# Altium PCB ioboard.PcbDoc (continued)
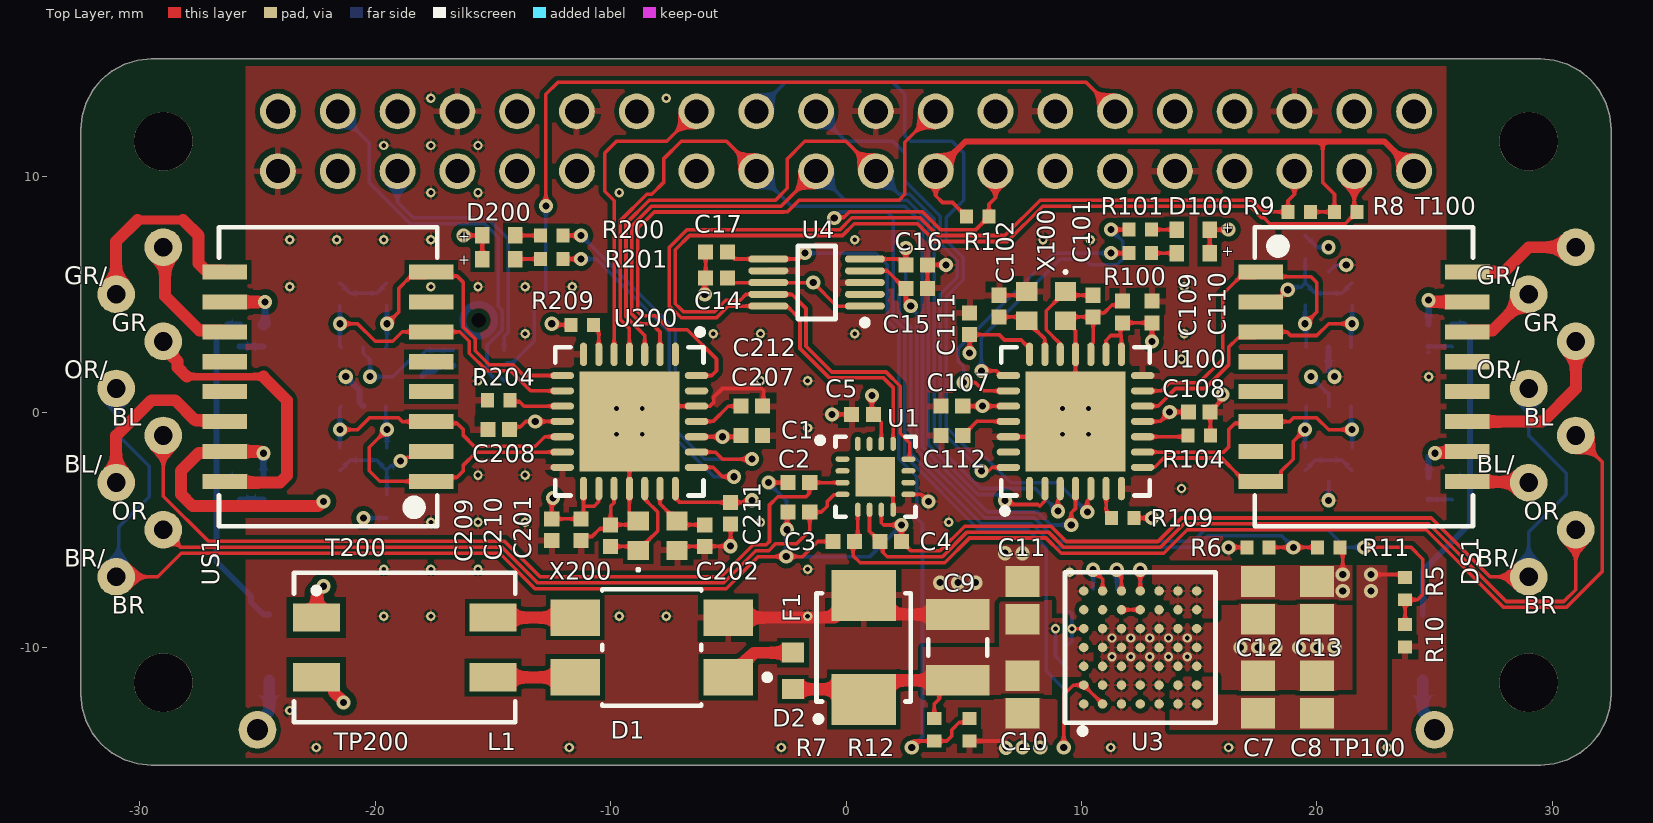
[diagram p0: Top Layer view]
## Footprints (in the part's own frame and the unit in brackets; to place one, negate y for a bottom-side part, rotate by r counter-clockwise, add the part's x,y. Pads: shape width x height; smd on the part's side, far side on the other; paste and mask are expansions set on the pad) (continued)
QFN50P300X300X100_HS-17N_TMP464 [mm] "QFN, 16-Leads, Body 3.00x3.00mm, Pitch 0.50mm, Thermal Pad 1.68x1.68mm, IPC Medium Density"
  oval 0.6x0.24 smd: 1(-1.4,0.75) 2(-1.4,0.25) 3(-1.4,-0.25) 4(-1.4,-0.75) 9(1.4,-0.75) 10(1.4,-0.25) 11(1.4,0.25) 12(1.4,0.75)
  oval 0.24x0.6 smd: 5(-0.75,-1.4) 6(-0.25,-1.4) 7(0.25,-1.4) 8(0.75,-1.4) 13(0.75,1.4) 14(0.25,1.4) 15(-0.25,1.4) 16(-0.75,1.4)
  rect 1.68x1.68 smd: 17(0,0)
  silkscreen extent -2.47,-1.7 1.7,1.7, body extent -1.56,-1.56 1.56,1.56, height 1
QFN65P600X600X100_HS-29N-ENC28J60 [mm] "QFN, 28-Leads, Body 6.00x6.00mm, Pitch 0.65mm, Thermal Pad 4.25x4.25mm, IPC Medium Density"
  oval 1x0.3 smd: 1(-2.85,1.95) 2(-2.85,1.3) 3(-2.85,0.65) 4(-2.85,0) 5(-2.85,-0.65) 6(-2.85,-1.3) 7(-2.85,-1.95) 15(2.85,-1.95) 16(2.85,-1.3) 17(2.85,-0.65) 18(2.85,0) 19(2.85,0.65) 20(2.85,1.3) 21(2.85,1.95)
  oval 0.3x1 smd: 8(-1.95,-2.85) 9(-1.3,-2.85) 10(-0.65,-2.85) 11(0,-2.85) 12(0.65,-2.85) 13(1.3,-2.85) 14(1.95,-2.85) 22(1.95,2.85) 23(1.3,2.85) 24(0.65,2.85) 25(0,2.85) 26(-0.65,2.85) 27(-1.3,2.85) 28(-1.95,2.85)
  rect 4.25x4.25 smd: 29(0,0)
  silkscreen extent -3.92,-3.15 3.15,3.15, body extent -3.01,-3.01 3.01,3.01, height 1
raspi_male_con [mil]
  round 60 hole 40: 1(-950,-50) 2(-950,50) 3(-850,-50) 4(-850,50) 5(-750,-50) 6(-750,50) 7(-650,-50) 8(-650,50) 9(-550,-50) 10(-550,50) 11(-450,-50) 12(-450,50) 13(-350,-50) 14(-350,50) 15(-250,-50) 16(-250,50) 17(-150,-50) 18(-150,50) 19(-50,-50) 20(-50,50) 21(50,-50) 22(50,50) 23(150,-50) 24(150,50) 25(250,-50) 26(250,50) 27(350,-50) 28(350,50) 29(450,-50) 30(450,50) 31(550,-50) 32(550,50) 33(650,-50) 34(650,50) 35(750,-50) 36(750,50) 37(850,-50) 38(850,50) 39(950,-50) 40(950,50)
  silkscreen extent -1033,-100 1000,100, body extent -1000,-100 1000,100, height 330
RESC1005X04N [mm] "Chip Resistor, 2-Leads, Body 1.05x0.54mm, IPC Medium Density"
  rect 0.55x0.6 smd: 1(-0.475,0) 2(0.475,0)
  body extent -0.55,-0.3 0.55,0.3, height 0.4
RESC1608X06N [mm] "Chip Resistor, 2-Leads, Body 1.60x0.83mm, IPC Medium Density"
  rect 0.85x0.95 smd: 1(-0.775,0) 2(0.775,0)
  body extent -0.85,-0.48 0.85,0.48, height 0.6
testpoint_tht_09mm [mm] "Throughhole testpoint"
  round 1.6 hole 0.9: 1(0,0)
TI-DGS10_N [mm] "SOP, 10-Leads, Body 3x3mm, Pitch 0.5mm, IPC Medium Density"
  oval 1.7x0.3 smd: 1(-2.05,1) 2(-2.05,0.5) 3(-2.05,0) 4(-2.05,-0.5) 5(-2.05,-1) 6(2.05,-1) 7(2.05,-0.5) 8(2.05,0) 9(2.05,0.5) 10(2.05,1)
  silkscreen extent -2.18,-1.55 0.8,1.82, body extent -1.55,-1.55 1.55,1.55, height 1.1
WE-SL2 [mm] "SMD Inductor, 4-Leads, Body 6.3 x 9.5 mm"
  rect 2x1.2 smd: 1(-3.75,1.27) 2(-3.75,-1.27) 3(3.75,-1.27) 4(3.75,1.27)
  silkscreen extent -4.7,-3.17 4.7,3.17, body extent -4.6,-3 4.6,3, height 5
WE-TVS_SOT23-6L [mm] "TVS Diode, package SOT23-6L"
  rect 0.6x1.1 smd: 1(-0.95,-1.25) 2(0,-1.25) 3(0.95,-1.25) 4(0.95,1.25) 5(0,1.25) 6(-0.95,1.25)
  silkscreen extent -1.45,-0.45 1.45,0.45, body extent -1.45,-1.4 1.45,1.4, height 1.16
WL-SBCC_0603 [mm] "SMT Bi-color Chip LED Compact, body 1.6x0.8mm"
  rect 0.6x0.7 smd: 1(-0.7,-0.5) 2(-0.7,0.5) 3(0.7,0.5) 4(0.7,-0.5)
  body extent -0.8,-0.4 0.8,0.4, height 0.4

## Part data
C1 C2 C3 C4 C5 C6 C14 C15 C16 C17 C100 C101 C102 C105 C107 C108 C109 C110 C111 C112 C200 C201 C202 C205 C207 C208 C209 C210 C211 C212: "Capacitor"
C7 C8 C12 C13: "Capacitor", voltage=6.3V
C9 C10 C11 C103 C104 C203 C204: "Capacitor", voltage=50V
  C9: type=X7R
C106 C206: "Capacitor", Supplier Part Number 1=311-4501-1-ND, voltage=2kV, Supplier 1=Digi-Key
D1: library part CMP-07163-000028-1, "BRIDGE RECT 1P 100V 500MA 4SOIC", Capacitance=13pF, Forward Current=0.5A, Manufacturer="ON Semiconductor", Max Junction Temp=+150°C, Max Repetitive Reverse Voltage=100V, Max Surge Forward Current=35A, Package=751EP, Peak Reverse Current=5uA, Temperature="-55°C to +150°C", Temperature Range Low=-55°C, Automotive=No, Category=Diode, ComponentLink2Description=Datasheet, ComponentLink2URL=https://www.onsemi.com/pub/Collateral/MB8S-D.PDF, Device Class L1="Discrete Semiconductors", Device Class L2=Diodes, Device Class L3="Rectifier Diodes", Digikey Description="BRIDGE RECT 1P 100V 500MA 4SOIC", Footprint Url=https://www.onsemi.com/pub/Collateral/751EP.PDF, Height=2.9mm, Ipc Land Pattern Name=SOIC254P670X265-4, Lead Free=Yes, Manufacturer Part Number=MB1S, Mouser Description="Diode Rectifier Bridge Single 100V 0.5A 4-Pin SOIC N T/R", Octopart=https://octopart.com/mb1s-on+semiconductor-84329760, Reverse Voltage=100V, RoHS=TRUE, Standoff Height=0.05mm, Temperature Range High=+150°C
D2: library part CMP-1061-00363-1, "600 W Peak Power Zener Transient Voltage Suppressor, Unidirectional, 2-Pin SMB, Pb-Free, Tape and Reel", Manufacturer="On Semiconductor", ComponentLink1Description="Manufacturer URL", ComponentLink1URL=http://www.onsemi.com/, ComponentLink2Description=Datasheet, ComponentLink2URL=http://www.onsemi.com/pub_link/Collateral/1SMB5.0AT3-D.PDF, ComponentLink3Description="Package Specification", ComponentLink3URL=http://www.onsemi.com/pub_link/Collateral/1SMB5913BT3-D.PDF, DatasheetVersion="Rev. 13", Direction=Unidirectional, IR Max (uA)=5, Mounting Technology="Surface Mount", PackageDescription="2-Pin Small Molded Package, J-Bend Lead, Body 4.33 x 3.625 mm", PackageReference=SMB-2-403A-03_H, PackageVersion="Rev. H, 05/2011", Packing="Tape and Reel", PartNumber=1SMB24AT3G, PPK Max (W)=600, RoHS=Pb-Free, V(BR) Typ (V)=28.1
D100 D200: library part 150060RV75240, "WL-SBCC SMT Bi-color Chip LED Compact, size 0603, Red & Bright Green, 2V, 140deg", Emitting Color="Red & Bright Green", Forward Voltage typ.=2V, Operating Temperature="-40 to +85degC", Chip Technology=AlInGaP, ComponentLink1Description=Manufacturer, ComponentLink1URL=http://www.we-online.de, ComponentLink2Description=Datasheet, ComponentLink2URL=https://katalog.we-online.de/led/datasheet/150060RV75240.pdf, Dominant Wavelength typ.="625nm@Red, 570nm@Bright Green", Luminous Intensity typ.="230mcd@Red, 90mcd@Bright Green", Mounting Technology=SMT, Packaging="Tape and Reel", Part Number=150060RV75240, Peak Wavelength typ.="630nm@Red, 572nm@Bright Green", Published Date="June 2019", Publisher="Wurth Elektronik", Size=0603, Viewing Angle typ.=140deg
D101 D201: library part 824015, "WE-TVS TVS Diode - High Speed Series, SOT23-6L, 4+1Channel, 5Vdc", Channel Input Capacitance=2pF, DC Operating Voltage=5V, Manufacturer="Wurth Elektronik", Operating Temperature="-40 to +125degC", Reverse Breakdown Voltage min.=6.1V, Reverse Channel Leakage Current=2uA, Reverse Peak Pulse Current=12A, Channel=4+1, ComponentLink1Description=Manufacturer, ComponentLink1URL=http://www.we-online.de, ComponentLink2Description=Datasheet, ComponentLink2URL=https://www.we-online.com/catalog/datasheet/824015.pdf, Manufacturer Part Number=824015, Mounting Technology=SMT, Packaging="Tape and Reel", Published Date="April 2020", Size=SOT23-6L
DS1 US1: library part node_connection
F1 R1 R2 R3 R4 R5 R6 R7 R8 R9 R10 R11 R12 R23 R24 R100 R101 R102 R103 R104 R105 R106 R107 R108 R109 R200 R201 R202 R203 R204 R205 R206 R207 R208 R209: "Resistor"
FB100 FB200: "Inductor"
L1: library part CMP-0222-00062-1, "SMD Common Mode Line Filter WE-SL2, L = 51.0 µH", Inductance="51.0 ÂµH", ComponentLink1Description="Manufacturer Link", ComponentLink1URL=http://www.we-online.com, ComponentLink2Description=Datasheet, ComponentLink2URL=http://www.we-online.de/katalog/media/pdf/744227S.pdf, DatasheetVersion="ver 7, Oct-2004", PackageDescription="SMD Inductor, 4-Leads, Body 6.3 x 9.5 mm", PackageReference=WE-SL2, PackageVersion=2010
RP1: library part raspberry_2x20_con, "Raspberry PI 2x20 connector"
T100 T200: "WE-LAN LAN Transformer, SMT, 10/100 Base-T, 1 port", Inductance=120uH, Insulation Test Voltage=1500Vrms, Manufacturer="Wurth Elektronik", Operating Temperature="-40 to +85degC", PoE Current=720mA, ComponentLink1Description=Manufacturer, ComponentLink1URL=http://www.we-online.de, ComponentLink2Description=Datasheet, ComponentLink2URL=https://www.we-online.com/catalog/datasheet/7490120110.pdf, Data Rate="10/100 Base-T", HPLE=No, Manufacturer Part Number=7490120110, Mounting Technology=SMT, Number of Ports=1, Packaging="Tape and Reel", Published Date="March 2020", Turns Ratio=1:1
TP100 TP200: library part testpoint, "Test point", testpoint=.Comment
U1: library part tmp464rgt, "High-Accuracy 5-Channel (4-Remote and 1-Local) Temperature Sensor", Supplier Part Number 1=296-46946-1-ND, ComponentLink1Description=Datasheet, ComponentLink1URL=https://www.ti.com/lit/ds/symlink/tmp464.pdf, Supplier 1=Digi-Key, Supplier 2=Digi-Key, Supplier Part Number 2=296-50713-1-ND
U2: library part ics-43432
U3: library part CMP-09139-000029-1, "DUAL 40VIN, 3A SILENT SWITCR UMO"
U4: library part CMP-0003-00385-2, "16-Bit ADC with Integrated Multiplexer, PGA, Comparator, Oscillator, and Reference, -40 to 125 degC, 10-pin SOP (DGS10), Green (RoHS & no Sb/Br)", Analog Voltage AV/DD(Max)(V)=5.5, Analog Voltage AV/DD(Min)(V)=2, Manufacturer="Texas Instruments", # Input Channels=4, Architecture=Delta-Sigma, Code_JEDEC=MO-153, ComponentLink1Description="Manufacturer URL", ComponentLink1URL=http://www.ti.com/, ComponentLink2Description=Datasheet, ComponentLink2URL=http://www.ti.com/general/docs/lit/getliterature.tsp?genericPartNumber=ADS1115&fileType=pdf, ComponentLink3Description="Package Specification", ComponentLink3URL=http://www.ti.com/lit/ml/mpds035b/mpds035b.pdf, DatasheetVersion=SBAS444B, Digital Supply(Max)(V)=5.5, Digital Supply(Min)(V)=2, Eco-Plan="Green (RoHS & no Sb/Br)", INL(Max)(+/-LSB)=1, Interface="Serial I2C", Mounting Technology="Surface Mount", PackageDescription="10-Pin Plastic Small Outline, Body 3 x 3 mm, Pitch 0.5 mm", PackageReference=DGS10, PackageVersion="4073272/C, 02/2004", PartNumber=ADS1115IDGSR, Resolution(Bits)=16, Sample Rate (max)(SPS)=860, SubFamily="Precision ADC (<=10MSPS)"
U100 U200: library part enc28j60-iml, "Stand-Alone Ethernet Controller with SPI Interface", ComponentLink1Description=Datasheet, ComponentLink1URL=http://ww1.microchip.com/downloads/en/DeviceDoc/39662e.pdf
X100 X200: library part CMP-2000-05727-1, "Ceramic SMD Ultra Miniature Quartz Crystal, 25 MHz, 100 Ohm, 10 pF, -40 to 85 degC, 4-Pin SMD, RoHS, Tape and Reel", Case Height=0.5mm, Case Length=2.5mm, Case Width=2mm, Frequency=25MHz, Frequency Stability=30PPM, Load Capacitance=10pF, Manufacturer=ABRACON, Operating Temperature Range=-40Cto+85C, Package / Case=2.5mmx2mmx0.5mm, Package Description="4-Pin Surface Mount Device, Body 2 x 2.5 mm, Pitch 1.65 mm", Package Reference=ABM10, Tolerance=20PPM, Brand=ABRACON, Datasheet URL=https://datasheet.ciiva.com/4946/abm10-31166-4946144.pdf, Datasheet Version=01/2013, Dimensions=2mmWx2.5mmLx0.5mmH, ESR=100Ohms, Factory Pack Quantity=3000, Manufacturer URL=http://www.abracon.com/, Mounting Style=SMD/SMT, Mounting Technology=SurfaceMount, Packaging=Reel, Product Category=Crystals, RoHS=Details, Series=ABM10, Termination Style=SMD/SMT, type=UltraMiniatureQuartzCrystal

## Free pads (board coordinates)
  round 2.5 hole 2.5 mask+1.75: 1(-29,-11.5) 1(-29,11.5) 1(29,-11.5) 1(29,11.5)

## Via types
v1: diameter 0.6, hole 0.3, Top Layer to Bottom Layer, tented both sides, 93 vias
v2: diameter 0.4, hole 0.2, Top Layer to Bottom Layer, tented both sides, 70 vias
v3: diameter 0.5, hole 0.2, Top Layer to Bottom Layer, 8 vias

## Nets (pads, with @x,y where several pads share a name; then routed paths per layer and width w, separated by ;. In a path a pad name is that pad's centre, name@x,y a point inside that pad or via, vN(x,y) a via of type N, cw(c..) or ccw(c..) an arc to the next point about the centre after c; other vN are vias at no path point)
CS_ETH_DS: RP1.24 U100.5 | length 32.7
  Top Layer w0.152: v1(10.25,-4.25) 10.25,-3.763 10.4,-3.613 U100.5
  Bottom Layer w0.152: RP1.24 -2.58,14 2,14 2.5,13.5 2.5,11.75 2.75,11.5 4.5,11.5 5,11 5,9 4.26,8.26 4.26,7.271 4.979,6.552 4.979,5.622 4.26,4.903 4.26,-0.653 5.304,-1.697 5.357,-1.75 5.75,-1.75 6.998,-2.998 8.142,-2.998 8.144,-3 9,-3 v1(10.25,-4.25)
CS_ETH_US: RP1.26 U200.5 | length 13.3
  Top Layer w0.152: U200.5 -9.85,8.975 -10.25,9.375 -10.25,11 -9.75,11.5 -7.62,11.5 RP1.26
GND: C5.1 C6.1 C7.1 C8.1 C9.1 C10.1 C11.1 C12.1 C13.1 C14.1 C15.1 C16.1 C17.1 C100.1 C101.1 C102.1 C105.1 C107.1 C108.1 C109.1 C110.1 C111.1 C112.1 C200.1 C201.1 C202.1 C205.1 C207.1 C208.1 C209.1 C210.1 C211.1 C212.1 D1.2 D2.2 D101.2 D201.2 R2.2 R3.2 R4.1 R10.1 R11.1 R12.1 R24.1 R104.1 R204.1 RP1.6 RP1.9 RP1.14 RP1.20 RP1.25 RP1.30 RP1.34 RP1.39 U1.8 U1.9 U1.17 U2.1 U2.2 U2.4 U3.A1 U3.A7 U3.B2 U3.B3 U3.B4 U3.B5 U3.C1 U3.C2 U3.C3 U3.C4 U3.C5 U3.D2 U3.D3 U3.D4 U3.D5 U3.E1 U3.E2 U3.E3 U3.E4 U3.E5 U3.E6 U3.F3 U3.F4 U3.F5 U3.G3 U3.G4 U3.G5 U4.3 U4.7 U100.7 U100.14 U100.17 U100.18 U100.26 U100.29 U200.7 U200.14 U200.17 U200.18 U200.26 U200.29 X100.2 X100.4 X200.2 X200.4 | length 58.5
  Top Layer w0.152: C210.1 -11.081,-5.291 -10.791,-5.291 -10.459,-4.959 -10.169,-4.959 C201.1 ; U200.17 -9.85,-3.85 -10,-4 C201.1 ; v3(-8.65,-0.95) -9.2,-1.5 U200.18 -9.2,-4.212 -9.199,-4.213 -9.199,-4.301 -8.875,-4.625 X200.4 -8.99,-4.79 C201.1 ; v3(-8.65,0.15) -8.55,0.25 U200.26 -6.346,0.254 -5.773,0.254 -5.625,0.402 -5.625,0.625 -5.25,1 -3.589,1 -3.5,0.911 -3.5,0.29 C212.1 ; X200.2 -7.01,-5.71 C202.1 -5.99,-5.7 v1(-4.9,-5.7) C211.1 ; v1(-6,5) -6,5.66 C14.1 C17.1 ; v1(-0.6,-0.1) C5.1 ; U1.17 2,-3.5 U1.8 ; U1.9 3.2,-3.5 v1(3.5,-3.8) ; C15.1 C16.1 v1(4.25,6.25) ; R12.1 6.719,-13.975 6.793,-14.05 v1(6.793,-14.273) ; C102.1 7.51,4.96 X100.2 ; U100.26 9.1,-1.05 v3(9.2,-0.95) ; v3(9.2,0.15) 9.75,0.7 U100.18 9.75,3.45 9.699,3.501 9.699,3.551 9.375,3.875 X100.4 9.49,4.04 C101.1 ; U100.17 10.4,2.84 10.5,2.94 C101.1 ; C109.1 11.581,4.541 11.291,4.541 10.959,4.209 10.669,4.209 C101.1 ; R104.1 15.475,-0.015 C108.1 16,0.54 v1(16,0.75) ; v1(16.25,-5.75) R11.1
  Top Layer w0.508: D1.2 -0.482,-8.73 0.458,-7.79 D2.2 1.56,-8.6 C9.1
  Bottom Layer w0.152: v1(20.5,-3.75) C105.1 ; C100.1 20.744,6.204 20.813,6.204 20.833,6.224 21.224,6.224 v1(21.25,6.25)
  Bottom Layer w0.254: v1(-21.25,1.5) -20.673,0.923 -20.673,0.423 D201.2 ; C6.1 -17.81,1.73 -17.52,1.73 -17.29,1.96 -16.69,1.96 U2.2 ; D101.2 20.5,1.75 v1(20.75,1.5)
  other v1: 7.5,-14.25 8.25,-14.25 16.75,-10 17.5,-10 18.25,-10 19.25,-10 20,-10 20.75,-10 4,-7.25 4.75,-7.25 5.5,-7.25 6.75,-6 7.5,-6
  other v2: -22.5,-14.25 -11.75,-14.25 -2.75,-14.25 11.25,-14.25 16.25,-14.25 23,-14.25 -23.633,-12.677 11.3,-10.4 12.1,-10.4 12.9,-10.4 13.7,-10.4 14.5,-10.4 11.3,-9.6 12.1,-9.6 12.9,-9.6 13.7,-9.6 14.5,-9.6 -19.633,-8.677 -17.633,-8.677 -9.633,-8.677 -7.633,-8.677 -1.633,-8.677 9.5,-6.8 -19.633,-6.677 -17.633,-6.677 -15.633,-6.677 -1.633,-6.677 -17.633,-4.677 -15.633,-4.677 -13.633,-4.677 -3.633,-4.677 4.367,-4.677 14.25,-3.25 -15.633,-2.677 -13.633,-2.677 -1.633,-0.677 -15.633,1.323 -3.633,1.323 -1.633,1.323 24.75,1.5 14.25,2.25 -13.633,3.323 -5.633,3.323 -3.633,3.323 0.367,3.323 14.367,3.323 -23.633,5.323 -17.633,5.323 -15.633,5.323 -13.633,5.323 -11.633,5.323 14.367,5.323 -23.633,7.323 -21.633,7.323 -19.633,7.323 -17.633,7.323 0.367,7.323 8.367,7.323 10.367,7.323 18.367,7.323 -17.633,9.323 -15.633,9.323 -9.633,9.323 -19.633,11.323 -17.633,11.323 -15.633,11.323 -17.633,13.323 -7.633,13.323
  other v3: -9.75,-0.95 10.3,-0.95 -9.75,0.15 10.3,0.15
INT_ETH_DS: RP1.22 U100.28 | length 21.2
  Top Layer w0.152: v1(5.75,-2.5) 6.068,-2.5 6.218,-2.35 U100.28
  Bottom Layer w0.152: RP1.22 0,11.5 2,11.5 2.5,11 2.5,9.821 2.816,9.505 4.007,8.314 4.007,7.166 4.726,6.447 4.726,5.726 4.007,5.007 4.007,-0.757 v1(5.75,-2.5)
INT_ETH_US: RP1.18 U200.28 | length 25.2
  Top Layer w0.152: U200.28 -5.7,1.55 -5.5,1.75 -5.5,2.25 -6.75,3.5 -7.5,3.5 -8.082,4.082 -8.668,4.082 -8.84,4.254 -8.84,7.803 -8.145,8.498 -2.645,8.498 -2.643,8.5 -2.5,8.5 -2,9 2.25,9 2.5,9.25 2.5,11.46 RP1.18
MISO: RP1.21 U100.2 U200.2 | length 36.8
  Top Layer w0.152: U200.2 -7.9,3.4 -8.25,3.75 -8.693,3.75 -9.093,4.15 -9.093,7.907 -8.25,8.75 -2.75,8.75 RP1.21 ; v1(6.75,-3.75) 6.926,-3.926 8.151,-3.926 8.225,-4 8.45,-3.775 U100.2
  Bottom Layer w0.152: RP1.21 -0.04,9 2.607,9 3.502,8.105 3.502,-1.395 5.609,-3.502 6.437,-3.502 6.685,-3.75 v1(6.75,-3.75)
MOSI: RP1.19 U100.3 U200.3 | length 39.5
  Top Layer w0.152: U200.3 -8.55,3.25 -9.345,4.045 -9.345,8.012 -8.355,9.002 -2.998,9.002 -2.5,9.5 -2.5,10.75 -1.75,11.5 0,11.5 RP1.19 ; v1(9,-4.213) 9,-3.74 9.1,-3.64 U100.3
  Bottom Layer w0.152: RP1.19 2.248,9.252 2.711,9.252 3.755,8.209 3.755,-1.291 5.714,-3.25 8.037,-3.25 v1(9,-4.213)
NetC15_2: C15.2 R5.1 R10.2 U4.4 | length 36.3
  Top Layer w0.152: U4.4 1.75,6 2.256,5.494 2.296,5.494 C15.2@2.525,5.265 ; C15.2 2.54,4.71 v1(2.75,4.5) ; v1(22,-5.75) 24,-5.75 24.5,-6.25 24.5,-7.75 24.275,-7.975 R5.1 R10.2
  Bottom Layer w0.152: v1(2.75,4.5) 2.75,4.435 2.998,4.187 2.998,-1.605 5.891,-4.498 7.998,-4.498 8,-4.5 8.998,-5.498 14.752,-5.498 15.25,-5 20.462,-5 21.212,-5.75 v1(22,-5.75)
NetC16_2: C16.2 R6.1 R11.2 U4.5 | length 31.7
  Top Layer w0.152: U4.5 2.29,6.5 C16.2 v1(2.54,6.97) ; R11.2@18.225,-5.75 v1(19,-5.75) R6.1
  Bottom Layer w0.152: v1(2.54,6.97) 2.54,5.29 2.252,5.002 2.252,4.105 2.745,3.612 2.745,-1.745 5.75,-4.75 7.893,-4.75 8.893,-5.75 14.857,-5.75 15.355,-5.252 18.502,-5.252 v1(19,-5.75)
NetC17_2: C17.2 R7.1 R12.2 U4.6 | length 31.7
  Top Layer w0.152: C17.2 -4.74,6.5 U4.6 -2,6.5 v1(-1.75,6.75) ; v1(2.792,-14.246) 2.878,-14.16 2.878,-13.979 2.882,-13.975 R7.1 4.275,-13.975 4.5,-13.75 4.5,-13.5 4.816,-13.184 5.091,-13.184 R12.2
  Bottom Layer w0.152: v1(-1.75,6.75) 1.25,6.75 1.748,6.252 1.748,3.895 2.24,3.403 2.24,-1.99 3,-2.75 3,-4.5 3.25,-4.75 3.25,-13.788 v1(2.792,-14.246)
NetC100_2: C100.2 FB100.1 R102.2 R103.2 T100.2 | length 5.6
  Top Layer w0.152: T100.2 18.245,4.675 v1(18.765,5.195)
  Bottom Layer w0.152: v1(18.765,5.195) 18.886,5.195 18.995,5.303 19.328,5.303 R103.2 ; FB100.1 R103.2 ; R102.2 21.475,5.475 21.276,5.276 21.276,5.251 21.065,5.04 C100.2 19.935,5.04 19.724,5.251 19.724,5.276 19.525,5.475 R103.2
NetC101_2: C101.2 U100.19 X100.1 | length 4.5
  Top Layer w0.152: U100.19 9.072,2.478 9.072,2.928 8.5,3.5 8.5,4.3 8.951,4.751 8.951,4.801 9.275,5.125 9.44,4.96 C101.2
NetC102_2: C102.2 U100.20 X100.3 | length 3
  Top Layer w0.152: C102.2 7.51,4.04 X100.3 7.725,3.875 8.049,3.551 8.049,3.501 8.45,3.1 U100.20
NetC103_1: C103.1 R107.2 | length 1
  Bottom Layer w0.152: C103.1 25.735,-3.71 R107.2
  Bottom Layer w0.254: C103.1@24.735,-3.725 C103.1
NetC104_1: C104.1 R108.2 | length 1
  Bottom Layer w0.152: C104.1@24.735,2.525 C104.1@24.75,2.54 ; C104.1 25.735,2.79 R108.2
  Bottom Layer w0.254: C104.1@24.735,2.775 C104.1
NetC105_2: C105.2 R105.1 R106.1 | length 2.4
  Bottom Layer w0.152: R106.1 19.525,-2.475 19.724,-2.276 19.724,-2.251 19.935,-2.04 C105.2 21.065,-2.04 21.276,-2.251 21.276,-2.276 21.475,-2.475 R105.1
NetC106_2: C106.2 R107.1 R108.1 | length 14.5
  Bottom Layer w0.254: C106.2 24.5,-6.75 26.5,-4.75 26.5,-2.75 ; R107.1 26.475,-2.775 26.5,-2.75 ; R108.1 26.275,3.725 26.5,3.5 26.5,-2.75
NetC112_2: C112.2 U100.25 | length 2.2
  Top Layer w0.152: C112.2 5.56,-0.4 U100.25
NetC200_2: C200.2 FB200.1 R202.2 R203.2 T200.2 | length 5.7
  Top Layer w0.152: v1(-18.917,-2.083) -18.796,-2.083 -18.632,-1.919 -17.859,-1.919 T200.2
  Bottom Layer w0.152: R202.2 -21.475,-2.475 -21.276,-2.276 -21.276,-2.251 -21.065,-2.04 C200.2 -19.935,-2.04 -19.724,-2.251 -19.724,-2.276 R203.2@-19.525,-2.475 ; FB200.1 R203.2 R203.2@-19.525,-2.475 ; v1(-18.917,-2.083) -19.037,-2.083 -19.23,-2.276 -19.326,-2.276 R203.2@-19.525,-2.475
NetC201_2: C201.2 U200.19 X200.1 | length 4.5
  Top Layer w0.152: C201.2 -8.94,-5.71 -8.775,-5.875 -8.451,-5.551 -8.451,-5.501 -8,-5.05 -8,-4.25 -8.522,-3.728 -8.522,-3.278 U200.19
NetC202_2: C202.2 U200.20 X200.3 | length 2.9
  Top Layer w0.152: U200.20 -7.9,-3.9 -7.549,-4.251 -7.549,-4.301 -7.225,-4.625 X200.3 -7.01,-4.79 C202.2
NetC203_1: C203.1 R207.2 | length 1
  Bottom Layer w0.254: R207.2@-25.765,2.79 R207.2 -25.735,2.79 C203.1
NetC204_1: C204.1 R208.2 | length 1
  Bottom Layer w0.254: R208.2 -25.735,-3.71 C204.1
NetC205_2: C205.2 R205.1 R206.1 | length 2.4
  Bottom Layer w0.152: R205.1 -21.475,5.475 -21.276,5.276 -21.276,5.251 -21.065,5.04 C205.2 -19.935,5.04 -19.724,5.251 -19.724,5.276 -19.525,5.475 R206.1
NetC206_2: C206.2 R207.1 R208.1 | length 15.1
  Bottom Layer w0.254: R208.1 -26.725,-2.775 -26.75,-2.75 ; R207.1 -25.757,3.718 -26.282,3.718 -26.75,3.25 -26.75,-2.75 ; C206.2 -24.75,-8.6 -25.273,-8.077 -25.273,-7.827 -26.75,-6.35 -26.75,-2.75
NetC212_2: C212.2 U200.25 | length 2.2
  Top Layer w0.152: U200.25 -5.65,-0.4 -5,0.25 C212.2
NetD1_1: D1.1 F1.1 | length 3.3
  Top Layer w0.508: D1.1 -4.725,-11.27 -4.204,-10.749 -4.204,-10.523 -3.906,-10.225 F1.1
NetD1_3: D1.3 L1.4 | length 3.5
  Top Layer w0.508: L1.4 D1.3
NetD1_4: D1.4 L1.3 | length 3.5
  Top Layer w0.508: L1.3 D1.4
NetD100_1: D100.1 R100.2 | length 1.1
  Top Layer w0.152: R100.2 D100.1
NetD100_2: D100.2 R101.2 | length 1.1
  Top Layer w0.152: R101.2 D100.2
NetD200_1: D200.1 R200.2 | length 1.1
  Top Layer w0.152: D200.1 R200.2
NetD200_2: D200.2 R201.2 | length 1.1
  Top Layer w0.152: D200.2 R201.2
NetDS1_1: DS1.1 T100.16 | length 5.1
  Top Layer w0.508: T100.16 27.945,5.945 29,7 DS1.1
NetDS1_2: DS1.2 T100.14 | length 3.3
  Top Layer w0.508: T100.14 26.451,3.471 27.471,3.471 DS1.2
NetDS1_3: DS1.3 T100.11 | length 7.2
  Top Layer w0.508: T100.11 29.595,-0.405 31,1 DS1.3
NetDS1_6: DS1.6 T100.9 | length 2.6
  Top Layer w0.508: T100.9 26.412,-2.972 28.972,-2.972 DS1.6
NetR2_1: R2.1 U3.D7 | length 1.7
  Top Layer w0.152: U3.D7 v1(12.5,-6.7)
  Bottom Layer w0.152: R2.1 v1(12.5,-6.7)
NetR3_1: R3.1 U3.C7 | length 1.8
  Top Layer w0.152: v1(11.5,-6.7) 11.7,-6.9 U3.C7
  Bottom Layer w0.152: R3.1 v1(11.5,-6.7)
NetR4_2: R4.2 U3.B7 | length 1.9
  Top Layer w0.152: v1(10.5,-6.7) 10.9,-7.1 U3.B7
  Bottom Layer w0.152: R4.2 v1(10.5,-6.7)
NetR23_1: R23.1 R24.2 U3.A5 | length 2.1
  Top Layer w0.152: v2(9.6,-9.2) U3.A5
  Bottom Layer w0.152: R23.1 9.6,-9.725 v2(9.6,-9.2) 9.6,-8.575 R24.2
NetR100_1: R100.1 U100.23 | length 12.5
  Top Layer w0.152: v1(5,1.25) 5.5,1.25 5.85,0.9 U100.23 ; v1(11.25,6.75) R100.1
  Bottom Layer w0.152: v1(5,1.25) 5,1.921 4.774,2.147 4.774,2.697 8.827,6.75 v1(11.25,6.75)
NetR101_1: R101.1 U100.22 | length 12.5
  Top Layer w0.152: v1(5.75,1.75) 6.387,1.75 6.587,1.55 U100.22 ; v1(11.25,7.75) R101.1
  Bottom Layer w0.152: v1(5.75,1.75) 5.75,3.143 9.105,6.498 10.125,6.498 10.373,6.25 11.5,6.25 11.75,6.5 11.75,7.25 v1(11.25,7.75)
NetR104_2: R104.2 U100.10 | length 1.9
  Top Layer w0.152: U100.10 14.475,-1.05 R104.2
NetR109_1: R109.1 U100.6 | length 1.3
  Top Layer w0.152: U100.6 11.05,-4.25 11.275,-4.475 R109.1
NetR200_1: R200.1 U200.23 | length 16.9
  Top Layer w0.152: R200.1 v1(-11.25,7.5) ; U200.23 -5.55,-1.7 -5.25,-2 v1(-4,-2)
  Bottom Layer w0.152: v1(-11.25,7.5) -7.25,3.5 -7.25,-0.75 -6,-2 v1(-4,-2)
NetR201_1: R201.1 U200.22 | length 15.4
  Top Layer w0.152: R201.1 v1(-11.25,6.5) ; U200.22 -5.65,-2.35 -5.25,-2.75 v1(-4.75,-2.75)
  Bottom Layer w0.152: v1(-11.25,6.5) -10.607,6.5 -7.502,3.395 -7.502,-0.855 -5.607,-2.75 v1(-4.75,-2.75)
NetR204_2: R204.2 U200.10 | length 2.3
  Top Layer w0.152: R204.2 -14.211,0.436 -13.861,0.436 -13.675,0.25 U200.10
NetR209_1: R209.1 U200.6 | length 1.3
  Top Layer w0.152: R209.1 -10.725,3.675 -10.5,3.45 U200.6
NetRP1_12: RP1.12 U2.6 | length 37.3
  Top Layer w0.152: v1(-12.75,8.75) -12.75,13.5 -12.25,14 10.2,14 RP1.12
  Bottom Layer w0.152: U2.6 -14.401,2.099 -14.151,2.099 -13.25,3 -13.25,4.5 -12.75,5 v1(-12.75,8.75)
NetRP1_35: RP1.35 U2.5 | length 11.5
  Bottom Layer w0.152: RP1.35 -19.05,8.907 -18.395,8.252 -15.252,8.252 -14.346,7.346 -14.346,3.381 -14.525,3.202 U2.5
NetRP1_38: RP1.38 U2.7 | length 16.9
  Bottom Layer w0.152: RP1.38 -20.25,11.43 -20.25,9.75 -18.5,8 -15.357,8 -14.777,7.42 -14.777,4.493 -14.599,4.315 -14.599,3.485 -15.25,2.834 -15.25,1.75 -14.949,1.449 -14.649,1.449 U2.7
NetT200_9: T200.9 US1.2 | length 8.9
  Top Layer w0.381: -30.096,8.154 -28.154,8.154
  Top Layer w0.508: US1.2 -31,7.25 -30.096,8.154 ; -28.154,8.154 -27.5,7.5 -27.5,6.309 -27.202,6.011 -26.451,6.011 T200.9
NetT200_11: T200.11 US1.1 | length 5.3
  Top Layer w0.508: US1.1 -28.919,6.919 -28.919,4.919 -27.471,3.471 -26.451,3.471 T200.11
NetT200_14: T200.14 US1.6 | length 7.6
  Top Layer w0.508: US1.6 -31,-1 -29.5,0.5 -28.5,0.5 -27.656,-0.344 -26.446,-0.344 T200.14
NetT200_16: T200.16 US1.3 | length 12.6
  Top Layer w0.305: -28,1.5 -24.75,1.5
  Top Layer w0.508: US1.3 -29,2.761 -28.396,2.156 -28.396,1.896 -28,1.5 ; T200.16 -26.33,-3 -24.048,-3 -23.75,-2.702 -23.75,0.5 -24.75,1.5
NetU3_C6: U3.C6 U3.D6 | length 0.8
  Top Layer w0.152: U3.C6 U3.D6
PGOOD: R1.1 RP1.15 U3.A2 U3.B1 | length 43.1
  Top Layer w0.152: v1(-0.5,8.25) -0.475,8.275 -0.082,8.275 0.145,8.502 3.248,8.502 4,7.75 5.525,7.75 5.851,8.076 5.876,8.076 6.075,8.275 R1.1 6.075,8.825 6.35,9.1 RP1.15 ; v1(9.25,-14.246) 9.25,-12 9.65,-11.6 U3.A2 U3.B1
  Bottom Layer w0.152: v1(-0.5,8.25) -0.255,8.495 1.755,8.495 2,8.25 2,4 2.493,3.507 2.493,-1.85 5.645,-5.002 7.735,-5.002 8.5,-5.768 8.5,-11 9.25,-11.75 v1(9.25,-14.246)
RX+_ETH_DS: D101.4 R105.2 T100.6 U100.9 | length 11.9
  Top Layer w0.152: U100.9 16.05,-1.7 16.25,-1.5 16.25,-0.75 16.526,-0.474 17.546,-0.474 T100.6 18.845,-0.405 19,-0.25 20,-0.25 20.5,-0.75 v1(21.5,-0.75)
  Bottom Layer w0.152: D101.4 21.45,-0.7 v1(21.5,-0.75) R105.2
RX+_ETH_US: D201.4 R205.2 T200.6 U200.9 | length 13.1
  Top Layer w0.152: v1(-21.5,3.75) -20.75,3.75 -20,3 -19.25,3 -18.845,3.405 T200.6 -16.405,3.405 -16,3 -16,2.5 -15.25,1.75 -14.25,1.75 -13.4,0.9 U200.9
  Bottom Layer w0.152: R205.2 v1(-21.5,3.75) -21.5,2.8 D201.4
RX-_ETH_DS: D101.6 R106.2 T100.8 U100.8 | length 10.6
  Top Layer w0.152: U100.8 12.628,-2.322 13.131,-2.322 13.5,-1.952 15.952,-1.952 16.701,-2.701 17.371,-2.701 17.493,-2.823 18.357,-2.823 18.479,-2.701 18.479,-2.521 19,-2 19,-1.25 v1(19.5,-0.75)
  Bottom Layer w0.152: R106.2 v1(19.5,-0.75) 19.55,-0.7 D101.6
RX-_ETH_US: D201.6 R206.2 T200.8 U200.8 | length 14
  Top Layer w0.152: v1(-19.5,3.75) -19,4.25 -19,5.25 -18.549,5.701 -17.859,5.701 T200.8 -17.446,5.776 -16.526,5.776 -16.25,5.5 -16.25,3.607 -15.748,3.105 -15.748,2.605 -15.196,2.053 -15.145,2.002 -14.145,2.002 -13.693,1.55 U200.8
  Bottom Layer w0.152: D201.6 -19.5,2.8 v1(-19.5,3.75) R206.2
SCK: RP1.23 U100.4 U200.4 | length 40.9
  Top Layer w0.152: U200.4 -9.2,3.543 -9.598,3.941 -9.598,8.116 -8.459,9.255 -8.245,9.255 -7.75,9.75 -7.75,10.75 -7,11.5 -5.08,11.5 RP1.23 ; v1(9.569,-4.8) 9.569,-4.281 9.75,-4.1 U100.4
  Bottom Layer w0.152: RP1.23 -2.33,8.75 -0.147,8.75 -0.145,8.748 2.502,8.748 3.25,8 3.25,-1.5 5.995,-4.245 8.102,-4.245 8.107,-4.25 8.15,-4.25 8.7,-4.8 v1(9.569,-4.8)
SCL: R9.1 RP1.5 U1.13 U4.10 | length 46.7
  Top Layer w0.152: U4.10@-3.3,4.472 -2.472,4.472 -1.952,3.952 -1.952,2.695 -0.705,1.448 1.595,1.448 2,1.043 U1.13 ; U4.10 -5,4.5 -5.5,4 -7,4 -7.5,4.5 -7.5,7 -6.75,7.75 -0.25,7.75 0.25,8.25 3.143,8.25 3.895,7.498 6.748,7.498 8.25,9 17.25,9 17.75,8.5 R9.1 18.775,8.975 19.05,9.25 RP1.5
SDA: R8.1 RP1.3 U1.12 U4.9 | length 50.8
  Top Layer w0.152: U1.12 2.66,-2 2.7,-1.96 2.7,-1.3 2.3,-0.9 2.3,1.1 1.7,1.7 -0.6,1.7 -1.7,2.8 -1.7,4.4 -2.3,5 U4.9 -4.25,5 -4.498,4.752 -5.105,4.752 -5.605,4.252 -6.895,4.252 -7.072,4.428 -7.248,4.605 -7.248,6.895 -6.645,7.498 -0.145,7.498 0.355,7.998 3.039,7.998 3.791,7.245 6.852,7.245 8.355,8.748 17.145,8.748 17.645,8.248 17.752,8.248 17.998,8.002 21.202,8.002 21.476,8.276 21.501,8.276 21.7,8.475 R8.1 21.59,8.61 RP1.3
SHIELD: C106.1 C206.1 TP100.1 TP200.1 | length 54.7
  Layer 2 w0.254: TP200.1 -21.419,-13.5 -21.338,-13.581 23.765,-13.581 23.846,-13.5 TP100.1
  Bottom Layer w0.508: TP200.1 -25,-13.205 -24.5,-12.705 C206.1 ; C106.1 24.5,-12.705 25,-13.205 TP100.1
T1+: C1.2 U1.3 US1.5 | length 35.7
  Top Layer w0.152: US1.5 -29,-3.576 -27.081,-5.495 -14.505,-5.495 -13,-7 -5.3,-7 -3.935,-5.635 -3.385,-5.635 -3.25,-5.5 -3.25,-3.95 -2.9,-3.6 -1.7,-3.6 -1.559,-3.459 -1.559,-3.019 C1.2 U1.3
T2+: C2.2 U1.4 US1.7 | length 31.9
  Top Layer w0.152: US1.7 -28.252,-5.748 -14.609,-5.748 -13.105,-7.252 -5.195,-7.252 -3.83,-5.887 -3.28,-5.887 -2.993,-5.6 -2.1,-5.6 -1.54,-5.04 C2.2 -1.05,-4.25 -0.8,-4 -0.8,-3.8 -0.509,-3.509 -0.159,-3.509 U1.4
T3+: C3.2 DS1.5 U1.5 | length 43.3
  Top Layer w0.152: U1.5 0.5,-5.36 C3.2 0.3,-5.56 0.3,-6.1 0.6,-6.4 4.2,-6.4 5.248,-5.352 8.495,-5.352 9.148,-6.005 13.495,-6.005 14.495,-5.005 24.65,-5.005 27.945,-8.3 30.6,-8.3 32.124,-6.776 32.124,-2.124 DS1.5
T4+: C4.2 DS1.7 U1.6 | length 36.8
  Top Layer w0.152: U1.6 1,-5.06 C4.2 1.559,-5.619 1.559,-5.959 1.748,-6.148 4.095,-6.148 5.143,-5.1 8.6,-5.1 9.252,-5.752 13.355,-5.752 14.355,-4.752 24.755,-4.752 28.05,-8.048 30.495,-8.048 31,-7.543 DS1.7
T-: C1.1 C2.1 C3.1 C4.1 DS1.4 DS1.8 U1.7 US1.4 US1.8 | length 92.5
  Top Layer w0.152: US1.8 -29.236,-7 -28.236,-6 -14.714,-6 -13.209,-7.505 -5.091,-7.505 -3.726,-6.139 v1(-2.539,-6.139) -1.839,-6.139 -1.2,-5.5 C3.1 ; v1(-3.3,-3) C1.1 ; v1(-2.5,-5) -2.5,-4.29 C2.1 ; U1.7 1.5,-4.7 1.6,-4.8 v1(2.36,-4.8) C4.1 2.755,-5.895 3.991,-5.895 5.039,-4.848 8.705,-4.848 9.357,-5.5 13.25,-5.5 14.25,-4.5 24.859,-4.5 27.359,-7 DS1.8
  Bottom Layer w0.152: US1.8 -30.9,-6.9 -30.9,-4.9 -29.6,-3.6 -29.6,-2.3 -31,-0.9 US1.4 ; v1(-3.3,-3) -2.5,-3.8 -2.539,-3.839 v1(-2.539,-6.139) 1.021,-6.139 v1(2.36,-4.8) ; DS1.8 29,-5.1 30.6,-3.5 30.6,-2.6 29,-1 DS1.4
TX+_ETH_DS: D101.1 R103.1 T100.1 U100.13 | length 15
  Top Layer w0.152: U100.13 13.4,0.9 13.75,1.25 13.893,1.25 13.895,1.252 15.002,1.252 15.998,2.248 15.998,4.998 16.701,5.701 17.371,5.701 T100.1 17.81,5.75 19.75,5.75 20,5.5 20,4.25 v1(19.5,3.75)
  Bottom Layer w0.152: R103.1 v1(19.5,3.75) 19.55,3.7 D101.1
TX+_ETH_US: D201.1 R203.1 T200.1 U200.13 | length 12.9
  Top Layer w0.152: v1(-19.5,-0.75) -20.25,-1.5 -20.25,-2.5 -19.805,-2.945 T200.1 -17.446,-2.776 -16.526,-2.776 -16.25,-2.5 -16.25,-2.25 -15.752,-1.752 -15.75,-1.752 -15.698,-1.7 U200.13
  Bottom Layer w0.152: D201.1 -19.55,-0.7 v1(-19.5,-0.75) R203.1
TX-_ETH_DS: D101.3 R102.1 T100.3 U100.12 | length 12.7
  Top Layer w0.152: U100.12 13.25,0.25 14,1 15.25,1 16.25,2 16.25,2.75 16.661,3.161 17.371,3.161 T100.3 18.73,3.405 18.885,3.25 20,3.25 20.5,3.75 v1(21.5,3.75)
  Bottom Layer w0.152: D101.3 21.45,3.7 v1(21.5,3.75) R102.1
TX-_ETH_US: D201.3 R202.1 T200.3 U200.12 | length 12.3
  Top Layer w0.152: v1(-21.5,-0.75) -20.75,-0.75 -20.25,-0.25 -19,-0.25 -18.845,-0.405 T200.3 -17.546,-0.474 -16.526,-0.474 -16.25,-0.75 -16.25,-1 -15.802,-1.448 -13.198,-1.448 -12.8,-1.05 U200.12
  Bottom Layer w0.152: R202.1 v1(-21.5,-0.75) -21.5,0.2 D201.3
VIN_24V0: C9.2 C10.2 C11.2 D2.1 F1.2 R7.2 R23.2 U3.A3 U3.A4 | length 11.4
  Top Layer w0.152: R7.2 3.75,-12.4 3.961,-12.189 3.961,-11.974 4.534,-11.4 C9.2
  Top Layer w0.508: F1.2 0.315,-11.775 D2.1 1.56,-11.4 C9.2@4.534,-11.4
  Bottom Layer w0.152: v2(8.9,-9.2) 8.9,-10.375 9.15,-10.625 9.15,-10.65 9.375,-10.875 R23.2
VPOE_1: C103.2 C203.2 L1.2 T100.10 T200.10 | length 82
  Top Layer w0.508: L1.2 -22.1,-11.27 -21.754,-11.616 -21.754,-11.902 -21.363,-12.294 -21.363,-12.328 v1(-21.345,-12.345) ; v1(25.024,-1.75) 25.049,-1.75 25.069,-1.731 26.329,-1.731 T100.10
  Top Layer w0.512: T200.10 v1(-24.675,4.675)
  Layer 2 w1: v1(-24.675,4.675) -23.5,3.5 -23.5,-10.126 -23.454,-10.172 -23.454,-10.219 -21.345,-12.328 v1(-21.345,-12.345) ; v1@-21.337,-12.337 -20.973,-12.7 23.4,-12.7 25.024,-11.076 v1(25.024,-1.75)
  Bottom Layer w0.254: C203.2@-24.675,3.785 v1(-24.675,4.675) ; C103.2 24.75,-1.899 24.782,-1.899 24.931,-1.75 v1(25.024,-1.75)
  Bottom Layer w0.508: C203.2 C203.2@-24.675,3.785
VPOE_2: C104.2 C204.2 L1.1 T100.15 T200.15 | length 85.1
  Top Layer w0.508: T200.15 -26.451,-1.741 -27.491,-1.741 -28.25,-2.5 -28.25,-3.5 -27.75,-4 -22.425,-4 -22.225,-3.8 v1(-22.2,-3.8) ; L1.1 -22.466,-8.696 -22.466,-7.666 v1(-22.2,-7.4) ; v1(24.75,4.75) 24.775,4.75 24.85,4.675 T100.15
  Top Layer w0.512: T200.15 -24.849,-1.675 -24.774,-1.75 v1(-24.75,-1.75)
  Layer 2 w1: v1(-22.2,-3.8) v1(-22.2,-7.4) -22.2,-9.7 -20.454,-11.446 22.854,-11.446 23.7,-10.6 23.7,3.7 v1(24.75,4.75)
  Bottom Layer w0.254: C204.2 v1(-24.75,-1.75) ; C104.2 v1(24.75,4.75)
VRPI_3V3: R1.2 R8.2 R9.2 RP1.1 RP1.17 | length 28.3
  Top Layer w0.152: RP1.17 3.81,9.19 4.1,8.9 4.525,8.9 4.901,8.524 4.926,8.524 5.125,8.325 R1.2 ; R9.2 R8.2 20.75,9.25 20.25,9.75 20.25,11.5
  Top Layer w0.254: RP1.17 5.08,11.5 20.25,11.5 22.86,11.5 RP1.1
VSYS_3V3: C5.2 C6.2 C7.2 C8.2 C14.2 C107.2 C108.2 C109.2 C110.2 C111.2 C207.2 C208.2 C209.2 C210.2 C211.2 D100.3 D100.4 D101.5 D200.3 D200.4 D201.5 FB100.2 FB200.2 R5.2 R109.2 R209.2 U1.14 U2.3 U3.F1 U3.F2 U3.G1 U3.G2 U4.1 U4.8 U100.11 U100.15 U100.16 U100.21 U100.24 U200.11 U200.15 U200.16 U200.21 U200.24 | length 49.9
  Top Layer w0.152: v1(-16.25,7.5) D200.4 D200.3 ; C208.2 -14.171,-0.631 -13.831,-0.631 -13.6,-0.4 v1(-13.2,-0.4) U200.11 ; v1(-12.5,3.75) -12.45,3.7 R209.2 ; v1(-12.45,-3.65) -12.5,-3.7 C209.2 C210.2 -11.15,-4.44 -11.15,-3.92 ; U200.15 -11.15,-3.92 ; U200.16 -10.515,-3.265 -10.515,-3.815 -10.7,-4 -11.07,-4 -11.15,-3.92 ; U200.21 -7.25,-3.64 -7.176,-3.714 -7.176,-3.724 -7.06,-3.84 C211.2 -4.09,-3.84 v1(-4,-3.75) ; U200.24 v1(-5.25,-1.05) -4.51,-1.05 C207.2 ; C14.2 -4.84,5.5 U4.8 v1(-1.39,5.5) -0.39,4.5 U4.1 ; v1(1.1,0.7) 1.1,-0.04 C5.2 1.5,-0.44 U1.14 ; C107.2 v1(5.8,0.25) U100.24 ; v1(5.25,2.5) C111.2 6.5,3.29 6.731,3.059 7.441,3.059 7.672,2.828 7.732,2.828 7.8,2.76 U100.21 ; U100.16 11.05,3.05 11.25,3.25 11.661,3.25 ; U100.15 11.7,3.211 11.661,3.25 ; R109.2 v1(13,-4.5) ; U100.11 13.35,-0.4 v1(13.75,0) C108.2 ; v1(13,3) C110.2 C109.2 11.661,3.701 11.661,3.25 ; D100.4 D100.3 v1(16.25,7.75) ; v1(22.3,-6.9) 23.625,-6.9 R5.2
  Bottom Layer w0.152: v1(-20.5,-4.5) -19.51,-4.5 FB200.2 ; D201.5 -20.5,2.5 -20.214,2.214 v1(-20.214,1.5) -19.25,1.5 -18.459,2.291 -18.169,2.291 C6.2 -17.835,2.625 U2.3 ; FB100.2 19.51,7.5 20.01,7 v1(20.5,7) ; v1(19.75,1.5) 20.5,0.75 D101.5
  other v1: 22.3,-7.6
VSYS_5V0: C12.2 C13.2 R6.2 RP1.2 RP1.4 U3.E7 U3.F6 U3.F7 U3.G6 U3.G7 | length 1.2
  Top Layer w0.152: R6.2 21.1,-5.875 v1(21.1,-6.9)
  other v1: 21.1,-7.6
pads on no net: RP1.7 RP1.8 RP1.10 RP1.11 RP1.13 RP1.16 RP1.27 RP1.28 RP1.29 RP1.31 RP1.32 RP1.33 RP1.36 RP1.37 RP1.40 T100.4 T100.5 T100.7 T100.12 T100.13 T200.4 T200.5 T200.7 T200.12 T200.13 U1.1 U1.2 U1.10 U1.11 U1.15 U1.16 U2.PORT U3.A6 U3.B6 U3.D1 U4.2 U100.1 U100.27 U200.1 U200.27

## Polygon pours and split planes (outlines as drawn)
GND on Top Layer "NONET_L01_P-001" (solid, remove dead copper, pour order 10): -25.5,15 -25.5,-15 25.5,-15 25.5,15
VIN_24V0 on Top Layer "NONET_L01_P-001" (solid, pour order 0): 3.25,-12 3.25,-10 6.5,-10 6.5,-8 8.75,-8 8.75,-8.75 10.5,-8.75 10.5,-11.25 8.75,-11.25 8.75,-12
GND on Top Layer "NONET_L01_P-001" (solid, pour order 5): 6.4,-8 6.4,-9.3 3.4,-9.3 3.4,-6.9 6.4,-6.9 6.4,-5.6 8.6,-5.6 8.6,-8
GND on Top Layer "NONET_L01_P-001" (solid, pour order 4): 6.4,-14.4 8.6,-14.4 8.6,-12 6.4,-12
GND on Top Layer "NONET_L01_P-001" (solid, pour order 3): 21.5,-8 15.75,-8 15.75,-8.75 10.5,-8.75 10.5,-11.25 15.75,-11.25 15.75,-12 21.5,-12
VSYS_3V3 on Top Layer "NONET_L01_P-001" (solid, pour order 2): 21.7,-12 21.7,-6.5 23,-6.5 23,-13.5 13.75,-13.5 13.75,-11.25 15.75,-11.25 15.75,-12
VSYS_5V0 on Top Layer "NONET_L01_P-001" (solid, pour order 1): 13,-8 13.75,-8 13.75,-8.75 15.75,-8.75 15.75,-8 21.5,-8 21.5,-6.5 13,-6.5
VSYS_3V3 on Layer 2 "NONET_L01_P-001" (solid, remove dead copper, pour order 9): -25.5,15 -25.5,-15 25.5,-15 25.5,15
VSYS_5V0 on Layer 2 "NONET_L01_P-001" (solid, pour order 8): 20.4,-8.1 21.6,-8.1 21.6,-5.75 23.7,-5.75 23.7,4.1 25.5,5.9 25.5,14 20.3,14 20.3,11.5 21.5,11.5 21.5,9.25 21.5,-3.75 20.4,-3.75
GND on Bottom Layer "NONET_L01_P-001" (solid, remove dead copper, pour order 11): -25.5,15 -25.5,-15 25.5,-15 25.5,15
GND on Layer 1 "NONET_L01_P-001" (solid, remove dead copper, pour order 12): -25.5,15 -25.5,-15 25.5,-15 25.5,15

## Other copper
Layer 1:
  pour cut-out: -8.8,-4 -8.8,-2.7 -7.7,-2.7 -7.7,-4 -6.5,-4 -6.5,-6.5 -9.5,-6.5 -9.5,-4
  pour cut-out: 8.25,3.25 8.25,1.9 9.3,1.9 9.3,3.25 10,3.25 10,5.75 7,5.75 7,3.25

## Text inside footprints (layer, text, board x,y; h text height)
D100: Top Overlay "+" at 16.4,7.55 h0.46 r90; Top Overlay "+" at 16.4,6.55 h0.46 r90
D200: Top Overlay "+" at -16.4,6.7 h0.46 r270; Top Overlay "+" at -16.4,7.7 h0.46 r270
DS1: Top Overlay "OR/" at 26.8,1.425 h0.75; Top Overlay "BL" at 28.8,-0.575 h0.75; Top Overlay "BR/" at 26.8,-6.575 h0.75; Top Overlay "BL/" at 26.8,-2.575 h0.75; Top Overlay "GR/" at 26.8,5.425 h0.75; Top Overlay "GR" at 28.8,3.425 h0.75; Top Overlay "OR" at 28.8,-4.575 h0.75; Top Overlay "BR" at 28.8,-8.575 h0.75
US1: Top Overlay "OR" at -31.2,-4.575 h0.75; Top Overlay "BR/" at -33.2,-6.575 h0.75; Top Overlay "GR" at -31.2,3.425 h0.75; Top Overlay "BL/" at -33.2,-2.575 h0.75; Top Overlay "BR" at -31.2,-8.575 h0.75; Top Overlay "BL" at -31.2,-0.575 h0.75; Top Overlay "GR/" at -33.2,5.425 h0.75; Top Overlay "OR/" at -33.2,1.425 h0.75